# Altium PCB HBS V1.0.PcbDoc (part 1 of 4) (continued)
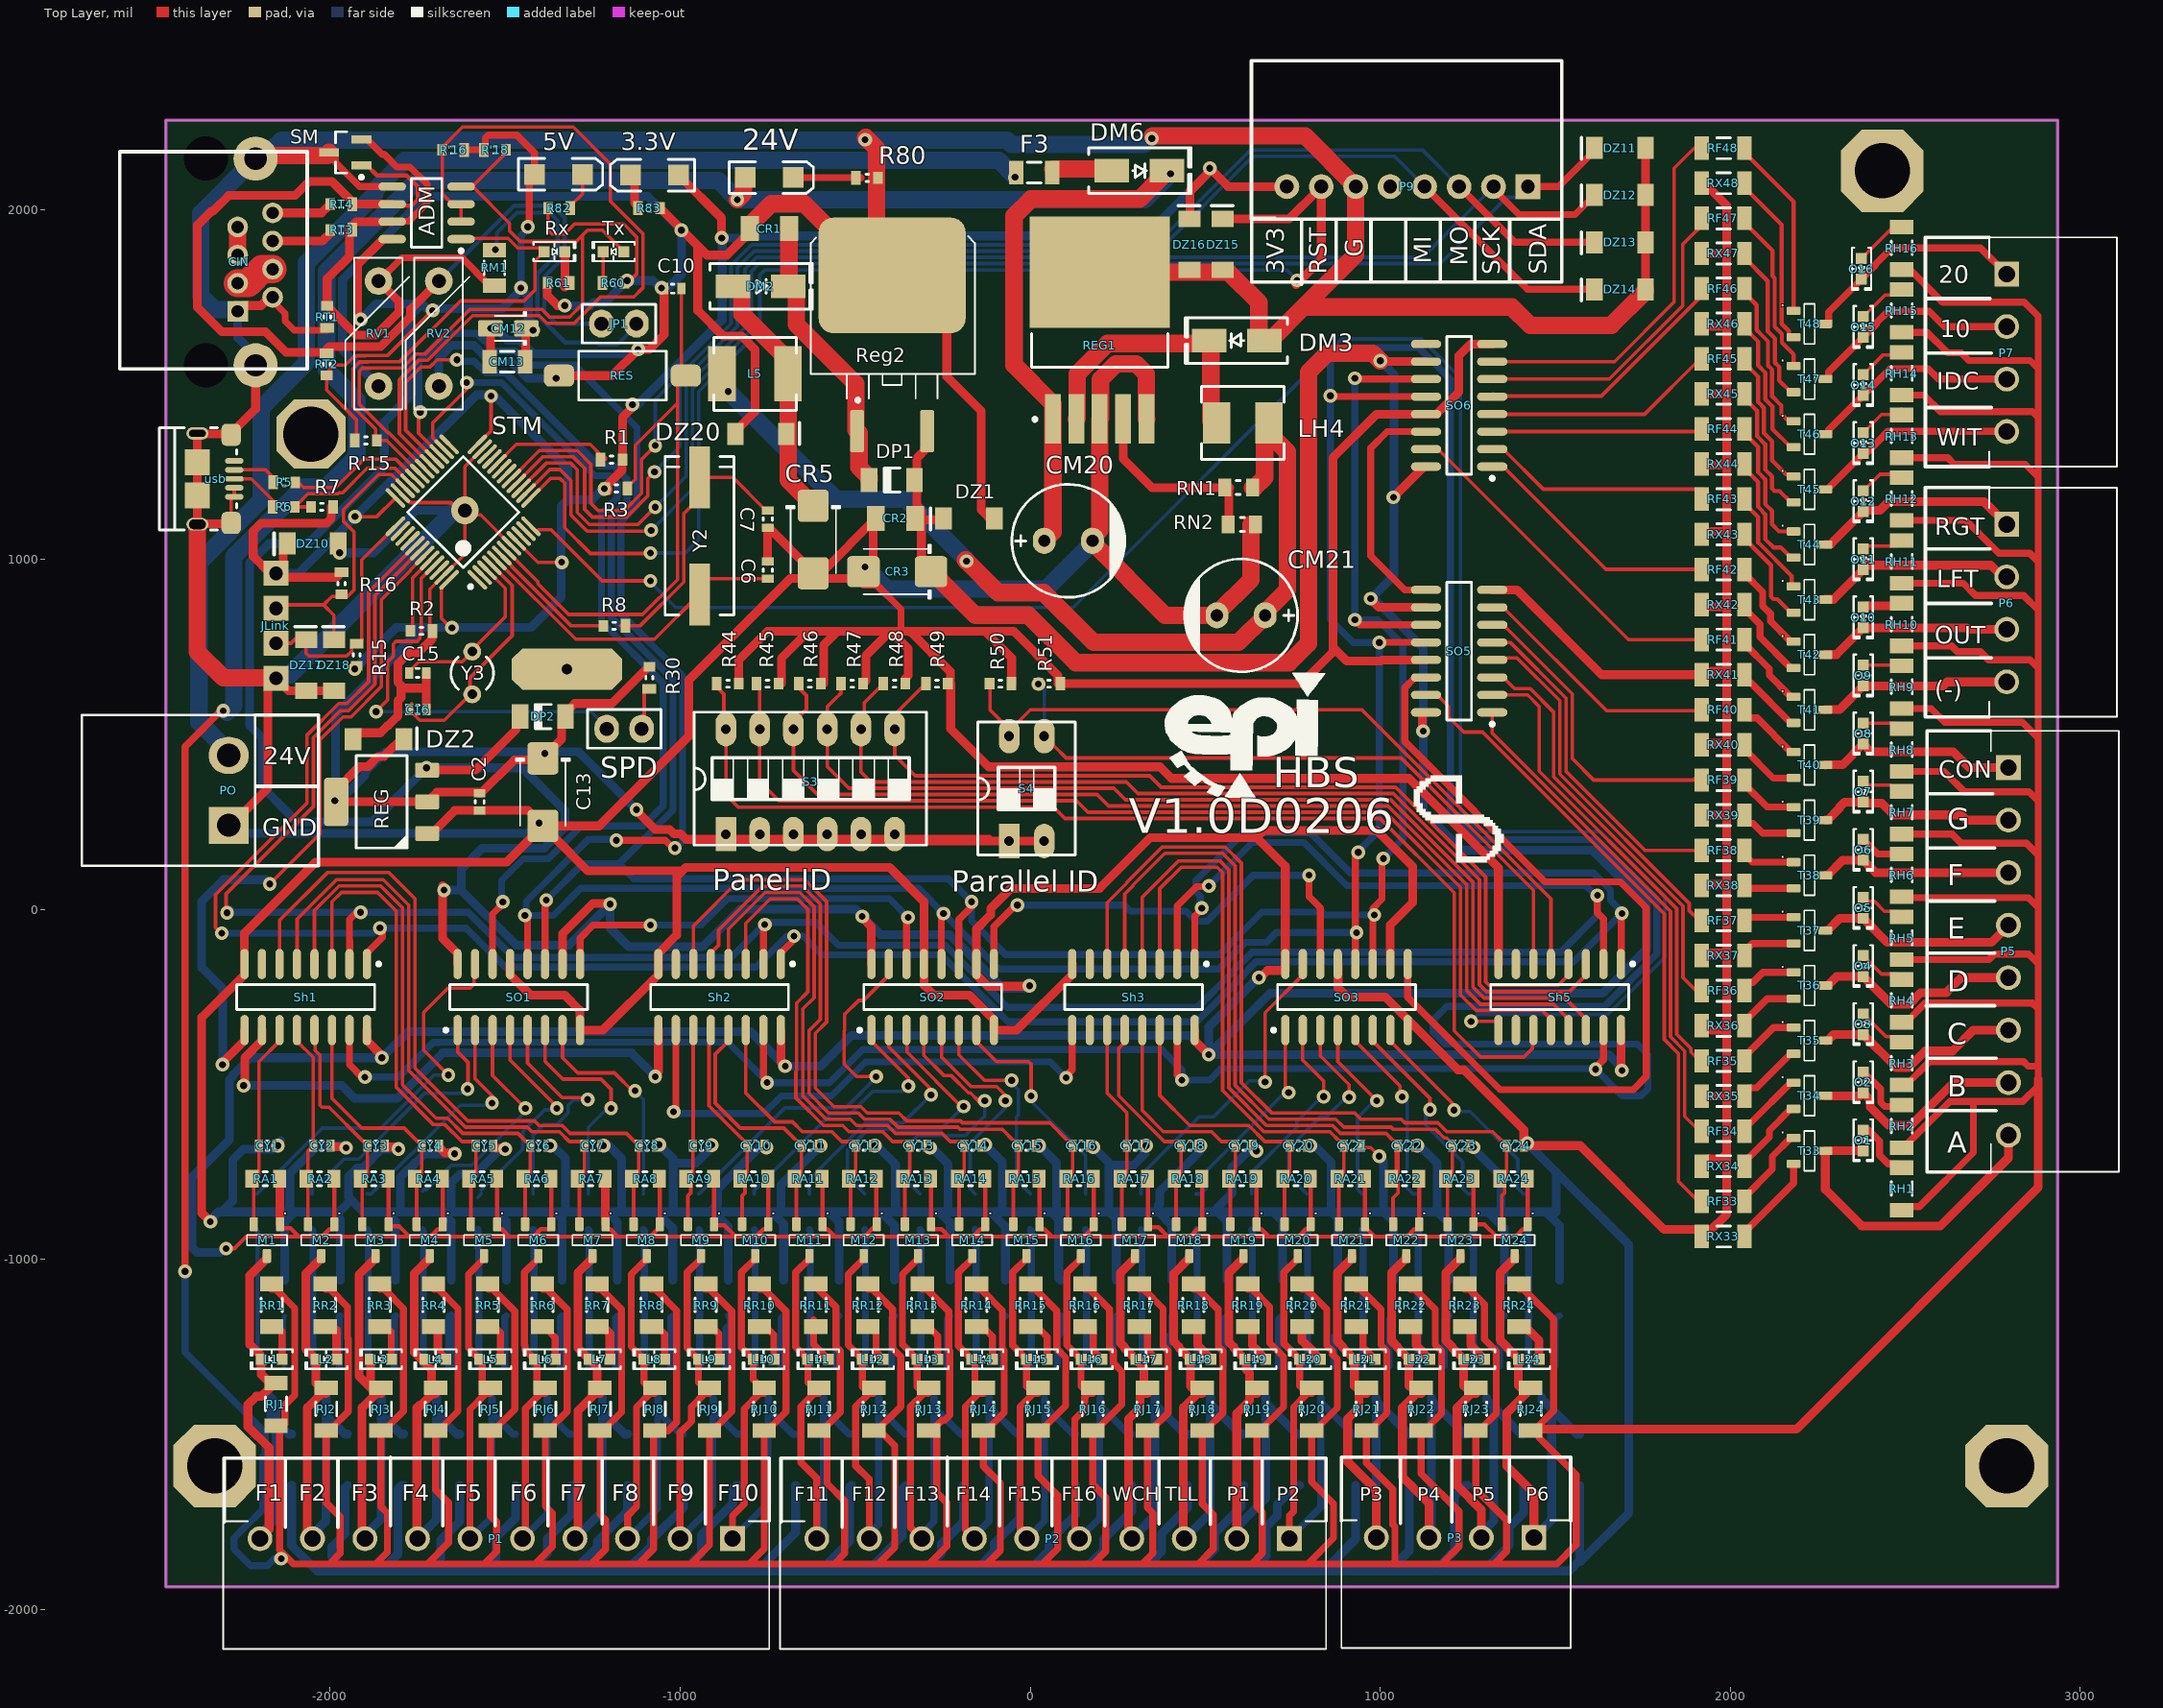
[diagram p0: Top Layer view]
## Classes and differential pairs
component class "Power 8V": CM20 CM21 CR5 DM3 DZ20 L5 LH4 REG1 RN1 RN2
component class "Shift Out": SO1 SO2 SO3 SO5 SO6
component class Actuator: O1 O2 O3 O4 O5 O6 O7 O8 O9 O10 O11 O12 O13 O14 O15 O16 RF1 RF2 RF3 RF4 RF5 RF6 RF7 RF8 RF9 RF10 RF11 RF12 RF13 RF14 RF15 RF16 RF17 RF18 RF19 RF20 RF21 RF22 RF23 RF24 RF33 RF34 RF35 RF36 RF37 RF38 RF39 RF40 RF41 RF42 RF43 RF44 RF45 RF46 RF47 RF48 RH1 RH2 RH3 RH4 RH5 RH6 RH7 RH8 RH9 RH10 RH11 RH12 RH13 RH14 RH15 RH16 RX1 RX2 RX3 RX4 RX5 RX6 RX7 RX8 RX9 RX10 RX11 RX12 RX13 RX14 RX15 RX16 RX17 RX18 RX19 RX20 RX21 RX22 RX23 RX24 RX33 RX34 RX35 RX36 RX37 RX38 RX39 RX40 RX41 RX42 RX43 RX44 RX45 RX46 RX47 RX48 T1 T2 T3 T4 T5 T6 T7 T8 T9 T10 T11 T12 T13 T14 T15 T16 T17 T18 T19 T20 T21 T22 T23 T24 T33 T34 T35 T36 T37 T38 T39 T40 T41 T42 T43 T44 T45 T46 T47 T48
component class "Power 3.3V": 3.3V C2 C13 DP2 DZ2 R83 REG
component class "Mosfet Input": CY1 CY2 CY3 CY4 CY5 CY6 CY7 CY8 CY9 CY10 CY11 CY12 CY13 CY14 CY15 CY16 CY17 CY18 CY19 CY20 CY21 CY22 CY23 CY24 DT1 DT2 DT3 DT4 DT5 DT6 DT7 DT8 DT9 DT10 DT11 DT12 DT13 DT14 DT15 DT16 DT17 DT18 DT19 DT20 DT21 DT22 DT23 DT24 L1 L2 L3 L4 L5 L6 L7 L8 L9 L10 L11 L12 L13 L14 L15 L16 L17 L18 L19 L20 L21 L22 L23 L24 M1 M2 M3 M4 M5 M6 M7 M8 M9 M10 M11 M12 M13 M14 M15 M16 M17 M18 M19 M20 M21 M22 M23 M24 RA1 RA2 RA3 RA4 RA5 RA6 RA7 RA8 RA9 RA10 RA11 RA12 RA13 RA14 RA15 RA16 RA17 RA18 RA19 RA20 RA21 RA22 RA23 RA24 RJ1 RJ2 RJ3 RJ4 RJ5 RJ6 RJ7 RJ8 RJ9 RJ10 RJ11 RJ12 RJ13 RJ14 RJ15 RJ16 RJ17 RJ18 RJ19 RJ20 RJ21 RJ22 RJ23 RJ24 RR1 RR2 RR3 RR4 RR5 RR6 RR7 RR8 RR9 RR10 RR11 RR12 RR13 RR14 RR15 RR16 RR17 RR18 RR19 RR20 RR21 RR22 RR23 RR24
component class MCU: C6 C7 C10 C15 C16 DZ10 DZ17 DZ18 JLink R1 R2 R3 R5 R6 R7 R8 R15 R16 R30 RES SPD STM usb Y2 Y3
component class "Input Connector": 24V CIN DM6 DZ13 DZ14 DZ15 DZ16 DZ17 DZ18 F3 P1 P2 P3 P5 P6 P7 P9 PO R80
component class "Data Input Memory": Sh1 Sh2 Sh3
component class Communication: ADM CM12 CM13 JP1 R60 R61 R'15 R'16 R'18 RM1 RT1 RT2 RT3 RT4 RV1 RV2 Rx SM Tx
component class Config: R44 R45 R46 R47 R48 R49 R50 R51 S3 S4 Sh5
component class "Power 5V": 5V CR1 CR2 CR3 DM2 DP1 DZ1 R82 Reg2

## Components (designator, comment, footprint, x,y, rotation, side; value= is the part's Value field where it differs from the comment)
3.3V "RED" "LED SMD 1206" -1073.46,2098 r180 top
5V "RED" "LED SMD 1206" -1347.62,2100 r0 top
24V "RED" "LED SMD 1206" -745.58,2091.13 r0 top
ADM "ADM485" SO8_NARROW_N -1724.47,1990 r180 top
C2 "100nF" SMD_CAP_0603 -1572.96,307.2 r90 top
C6 "20pF" SMD_CAP_0603 -750,969.36 r90 top
C7 "20pF" SMD_CAP_0603 -750,1115 r270 top
C10 "1uF" SMD_CAP_0603 -1021.51,1773.6 r180 top
C13 "100uF" CAPMP6032X280N -1392.43,335 r270 top
C15 "10pF" SMD_CAP_0603 -1750,675.45 r180 top
C16 "10pF" SMD_CAP_0603 -1749.76,570.79 r180 top
CIN "CN_MODJACK_8P" "CN_RJ45_TYCO_ DY122-8P8C-G" -2355,2145 r270 top
CM12 "10uF" CAPMP3216X180N -1490.99,1660 r180 top
CM13 "100nF" SMD_CAP_1206 -1442.79,1565 r180 top
CM20 "100uF" "cap 03" 108.9,1052.88 r180 top
CM21 "2000uF" "cap 03" 602.48,840 r0 top
CR1 "330nF" 1206 -745,1945 r180 top
CR2 "100nF" 1206 -385,1117.05 r180 top
CR3 "100uF" CAPMP6032X280N -380,965 r180 top
CR5 "100uF" CAPMP6032X280N -620,1056.6 r270 top
CY1 "10uF" SMD_CAP_0603 -2179.21,-674.92 r180 top
CY2 "10uF" SMD_CAP_0603 -2024.21,-674.92 r180 top
CY3 "10uF" SMD_CAP_0603 -1869.21,-674.92 r180 top
CY4 "10uF" SMD_CAP_0603 -1714.21,-674.92 r180 top
CY5 "10uF" SMD_CAP_0603 -1559.21,-674.92 r180 top
CY6 "10uF" SMD_CAP_0603 -1404.21,-674.92 r180 top
CY7 "10uF" SMD_CAP_0603 -1249.21,-674.92 r180 top
CY8 "10uF" SMD_CAP_0603 -1094.21,-674.92 r180 top
CY9 "10uF" SMD_CAP_0603 -939.21,-674.92 r180 top
CY10 "10uF" SMD_CAP_0603 -784.21,-674.92 r180 top
CY11 "10uF" SMD_CAP_0603 -629.21,-674.92 r180 top
CY12 "10uF" SMD_CAP_0603 -474.21,-674.92 r180 top
CY13 "10uF" SMD_CAP_0603 -319.21,-674.92 r180 top
CY14 "10uF" SMD_CAP_0603 -164.21,-674.92 r180 top
CY15 "10uF" SMD_CAP_0603 -9.21,-674.92 r180 top
CY16 "10uF" SMD_CAP_0603 145.79,-674.92 r180 top
CY17 "10uF" SMD_CAP_0603 300.79,-674.92 r180 top
CY18 "10uF" SMD_CAP_0603 455.79,-674.92 r180 top
CY19 "10uF" SMD_CAP_0603 610.79,-674.92 r180 top
CY20 "10uF" SMD_CAP_0603 765.79,-674.92 r180 top
CY21 "10uF" SMD_CAP_0603 920.79,-674.92 r180 top
CY22 "10uF" SMD_CAP_0603 1075.79,-674.92 r180 top
CY23 "10uF" SMD_CAP_0603 1230.79,-674.92 r180 top
CY24 "10uF" SMD_CAP_0603 1385.79,-674.92 r180 top
DM2 "1N5822" "DO214AC SMA" -770,1780 r0 top
DM3 "1N5822" "DO214AC SMA" 590.31,1625 r180 top
DM6 "1N5822" "DO214AC SMA" 312.15,2110.44 r0 top
DP1 "1N4148" LL4148 -395.66,1226.65 r180 top
DP2 "1N4148" LL4148 -1392.67,551.1 r180 top
DT1 "DZ30V 0.5W" Minimelf -2109.79,-1571.95 r90 bottom
DT2 "DZ30V 0.5W" Minimelf -1949.79,-1571.95 r90 bottom
DT3 "DZ30V 0.5W" Minimelf -1789.79,-1571.95 r90 bottom
DT4 "DZ30V 0.5W" Minimelf -1629.79,-1571.95 r90 bottom
DT5 "DZ30V 0.5W" Minimelf -1469.79,-1571.95 r90 bottom
DT6 "DZ30V 0.5W" Minimelf -1309.79,-1571.95 r90 bottom
DT7 "DZ30V 0.5W" Minimelf -1149.79,-1571.95 r90 bottom
DT8 "DZ30V 0.5W" Minimelf -989.79,-1571.95 r90 bottom
DT9 "DZ30V 0.5W" Minimelf -829.79,-1571.95 r90 bottom
DT10 "DZ30V 0.5W" Minimelf -669.79,-1571.95 r90 bottom
DT11 "DZ30V 0.5W" Minimelf -509.79,-1571.95 r90 bottom
DT12 "DZ30V 0.5W" Minimelf -349.79,-1571.95 r90 bottom
DT13 "DZ30V 0.5W" Minimelf -189.79,-1571.95 r90 bottom
DT14 "DZ30V 0.5W" Minimelf -29.79,-1571.95 r90 bottom
DT15 "DZ30V 0.5W" Minimelf 130.21,-1571.95 r90 bottom
DT16 "DZ30V 0.5W" Minimelf 290.21,-1571.95 r90 bottom
DT17 "DZ30V 0.5W" Minimelf 450.21,-1571.95 r90 bottom
DT18 "DZ30V 0.5W" Minimelf 610.21,-1571.95 r90 bottom
DT19 "DZ30V 0.5W" Minimelf 770.21,-1571.95 r90 bottom
DT20 "DZ30V 0.5W" Minimelf 930.21,-1571.95 r90 bottom
DT21 "DZ30V 0.5W" Minimelf 1090.21,-1571.95 r90 bottom
DT22 "DZ30V 0.5W" Minimelf 1250.21,-1571.95 r90 bottom
DT23 "DZ30V 0.5W" Minimelf 1410.21,-1571.95 r90 bottom
DT24 "DZ30V 0.5W" Minimelf 1570.21,-1571.95 r90 bottom
DZ1 "DZ5.6V 0.5W" Minimelf -175,1117.05 r180 top
DZ2 "DZ3.6V 0.5W" Minimelf -1862.11,487.02 r0 top
DZ10 "DZ3.6V 0.5W" Minimelf -2050,1045 r180 top
DZ11 "DZ3.6V 0.5W" Minimelf 1685,2175 r180 top
DZ12 "DZ3.6V 0.5W" Minimelf 1685,2040.32 r180 top
DZ13 "DZ3.6V 0.5W" Minimelf 1685,1905.63 r180 top
DZ14 "DZ3.6V 0.5W" Minimelf 1685,1770.95 r180 top
DZ15 "DZ3.6V 0.5W" Minimelf 549.51,1899.96 r90 top
DZ16 "DZ3.6V 0.5W" Minimelf 454.54,1899.96 r90 top
DZ17 "DZ3.6V 0.5W" Minimelf -2069.51,697.53 r90 top
DZ18 "DZ3.6V 0.5W" Minimelf -1990,697.53 r90 top
DZ20 "DZ9.1V 0.5W" Minimelf -769.61,1358.53 r0 top
F3 "Fuse 1A 1206" "Fuse SMD 1206" 15.53,2100.44 r0 top
JLink "Header Male Right 1x4" "Header 1x4 male rightangle" -2155,760.17 r90 top
JP1 "Jumper" "Jumper Small - 2.54 - GRAY" -1175,1673.48 r180 top
L1 "RED" "LED 0603/1608 RED" -2167.52,-1285 r180 top
L2 "RED" "LED 0603/1608 RED" -2011.36,-1285 r180 top
L3 "RED" "LED 0603/1608 RED" -1855.2,-1285 r180 top
L4 "RED" "LED 0603/1608 RED" -1699.03,-1285 r180 top
L5 "Inductor" "HPC6045 SMD INDUCTOR" -786.27,1530 r0 top value=22uH3A
L5 "RED" "LED 0603/1608 RED" -1542.87,-1285 r180 top
L6 "RED" "LED 0603/1608 RED" -1386.71,-1285 r180 top
L7 "RED" "LED 0603/1608 RED" -1230.54,-1285 r180 top
L8 "RED" "LED 0603/1608 RED" -1074.38,-1285 r180 top
L9 "RED" "LED 0603/1608 RED" -918.22,-1285 r180 top
L10 "RED" "LED 0603/1608 RED" -762.05,-1285 r180 top
L11 "RED" "LED 0603/1608 RED" -605.89,-1285 r180 top
L12 "RED" "LED 0603/1608 RED" -449.73,-1285 r180 top
L13 "RED" "LED 0603/1608 RED" -293.56,-1285 r180 top
L14 "RED" "LED 0603/1608 RED" -137.4,-1285 r180 top
L15 "RED" "LED 0603/1608 RED" 18.76,-1285 r180 top
L16 "RED" "LED 0603/1608 RED" 174.93,-1285 r180 top
L17 "RED" "LED 0603/1608 RED" 331.09,-1285 r180 top
L18 "RED" "LED 0603/1608 RED" 487.15,-1285 r180 top
L19 "RED" "LED 0603/1608 RED" 643.42,-1285 r180 top
L20 "RED" "LED 0603/1608 RED" 799.58,-1285 r180 top
L21 "RED" "LED 0603/1608 RED" 955.75,-1285 r180 top
L22 "RED" "LED 0603/1608 RED" 1111.91,-1285 r180 top
L23 "RED" "LED 0603/1608 RED" 1268.07,-1285 r180 top
L24 "RED" "LED 0603/1608 RED" 1425,-1284.98 r180 top
LH4 "Inductor" "CD45 SMD Inductor" 607.4,1390 r0 top value=100uH3A
M1 "2N7002" SOT23-3 -2180.79,-944.92 r270 top
M2 "2N7002" SOT23-3 -2025.79,-944.92 r270 top
M3 "2N7002" SOT23-3 -1870.79,-944.92 r270 top
M4 "2N7002" SOT23-3 -1715.79,-944.92 r270 top
M5 "2N7002" SOT23-3 -1560.79,-944.92 r270 top
M6 "2N7002" SOT23-3 -1405.79,-944.92 r270 top
M7 "2N7002" SOT23-3 -1250.79,-944.92 r270 top
M8 "2N7002" SOT23-3 -1095.79,-944.92 r270 top
M9 "2N7002" SOT23-3 -940.79,-944.92 r270 top
M10 "2N7002" SOT23-3 -785.79,-944.92 r270 top
M11 "2N7002" SOT23-3 -630.79,-944.92 r270 top
M12 "2N7002" SOT23-3 -475.79,-944.92 r270 top
M13 "2N7002" SOT23-3 -320.79,-944.92 r270 top
M14 "2N7002" SOT23-3 -165.79,-944.92 r270 top
M15 "2N7002" SOT23-3 -10.79,-944.92 r270 top
M16 "2N7002" SOT23-3 144.21,-944.92 r270 top
M17 "2N7002" SOT23-3 299.21,-944.92 r270 top
M18 "2N7002" SOT23-3 454.21,-944.92 r270 top
M19 "2N7002" SOT23-3 609.21,-944.92 r270 top
M20 "2N7002" SOT23-3 764.21,-944.92 r270 top
M21 "2N7002" SOT23-3 919.21,-944.92 r270 top
M22 "2N7002" SOT23-3 1074.21,-944.92 r270 top
M23 "2N7002" SOT23-3 1229.21,-944.92 r270 top
M24 "2N7002" SOT23-3 1384.21,-944.92 r270 top
O1 "RED" "LED 0603/1608 RED" 2380,-660 r270 top
O2 "RED" "LED 0603/1608 RED" 2380,-494 r270 top
O3 "RED" "LED 0603/1608 RED" 2380,-328 r270 top
O4 "RED" "LED 0603/1608 RED" 2380,-162 r270 top
O5 "RED" "LED 0603/1608 RED" 2380,4 r270 top
O6 "RED" "LED 0603/1608 RED" 2380,170 r270 top
O7 "RED" "LED 0603/1608 RED" 2380,336 r270 top
O8 "RED" "LED 0603/1608 RED" 2380,502 r270 top
O9 "RED" "LED 0603/1608 RED" 2380,668 r270 top
O10 "RED" "LED 0603/1608 RED" 2380,834 r270 top
O11 "RED" "LED 0603/1608 RED" 2380,1000 r270 top
O12 "RED" "LED 0603/1608 RED" 2380,1166 r270 top
O13 "RED" "LED 0603/1608 RED" 2380,1332 r270 top
O14 "RED" "LED 0603/1608 RED" 2380,1498 r270 top
O15 "RED" "LED 0603/1608 RED" 2380,1664 r270 top
O16 "RED" "LED 0603/1608 RED" 2375,1830 r270 top
P1 "XH10MR" "phonix 10pin right 3.81" -850.59,-1797.76 r270 top
P2 "XH10MR" "phonix 10pin right 3.81" 740.31,-1797.76 r270 top
P3 "XH4MR" "phonix 4pin right 3.81" 1439.04,-1795 r270 top
P5 "XH8MR" "phonix 8pin right 3.81" 2795,405 r0 top
P6 "XH4MR" "phonix 4pin right 3.81" 2790,1100 r0 top
P7 "XH4MR" "phonix 4pin right 3.81" 2790,1815 r0 top
P9 "XH8MR" CN_JST-B8B-S_XH 1422.13,2065 r0 top
PO "Header 2" "phonix 2pin right 5.08" -2290,340 r180 top
R1 "10K" "RES 0603" -1165,1285 r180 top
R2 "10K" "RES 0603" -1770.45,795.75 r0 top
R3 "10K" "RES 0603" -1213.79,1202.49 r0 top
R5 "20R" "RES 0603" -2100,1220 r180 top
R6 "20R" "RES 0603" -2101.01,1150 r180 top
R7 "1.5K" "RES 0603" -2055,1150 r0 top
R8 "390" "RES 0603" -1219.95,810 r0 top
R15 "10K" "RES 0603" -1924.44,696.01 r90 top
R16 "10K" "RES 0603" -1967.88,900 r90 top
R30 "10K" "RES 0603" -1088.19,692.99 r270 top
R44 "10K" "RES 0603" -832.3,645 r180 top
R45 "10K" "RES 0603" -719.46,645 r180 top
R46 "10K" "RES 0603" -598.45,645 r180 top
R47 "10K" "RES 0603" -477.44,645 r180 top
R48 "10K" "RES 0603" -356.43,645 r180 top
R49 "10K" "RES 0603" -235.43,645 r180 top
R50 "10K" "RES 0603" -116.13,645 r0 top
R51 "10K" "RES 0603" 22.84,645 r0 top
R60 "510" "RES 0603" -1159.27,1790 r180 top
R61 "510" "RES 0603" -1379.07,1790 r0 top
R80 "5K" "RES 0603" -434.78,2090 r180 top
R82 "1K" "RES 0603" -1377.45,2003.44 r0 top
R83 "500" "RES 0603" -1057.45,2003.44 r180 top
R'15 "10k" "RES 0603" -1866.72,1340 r180 top
R'16 "10K" "RES 0603" -1680,2170 r0 top
R'18 "10k" "RES 0603" -1497.67,2170 r180 top
RA1 "10K" "RES 0805" -2144.78,-769.43 r180 top
RA2 "10K" "RES 0805" -1989.78,-769.43 r180 top
RA3 "10K" "RES 0805" -1834.78,-769.43 r180 top
RA4 "10K" "RES 0805" -1679.78,-769.43 r180 top
RA5 "10K" "RES 0805" -1524.78,-769.43 r180 top
RA6 "10K" "RES 0805" -1369.78,-769.43 r180 top
RA7 "10K" "RES 0805" -1214.78,-769.43 r180 top
RA8 "10K" "RES 0805" -1059.78,-769.43 r180 top
RA9 "10K" "RES 0805" -904.78,-769.43 r180 top
RA10 "10K" "RES 0805" -749.78,-769.43 r180 top
RA11 "10K" "RES 0805" -594.78,-769.43 r180 top
RA12 "10K" "RES 0805" -439.78,-769.43 r180 top
RA13 "10K" "RES 0805" -284.78,-769.43 r180 top
RA14 "10K" "RES 0805" -129.78,-769.43 r180 top
RA15 "10K" "RES 0805" 25.22,-769.43 r180 top
RA16 "10K" "RES 0805" 180.22,-769.43 r180 top
RA17 "10K" "RES 0805" 335.22,-769.43 r180 top
RA18 "10K" "RES 0805" 490.22,-769.43 r180 top
RA19 "10K" "RES 0805" 645.22,-769.43 r180 top
RA20 "10K" "RES 0805" 800.22,-769.43 r180 top
RA21 "10K" "RES 0805" 955.22,-769.43 r180 top
RA22 "10K" "RES 0805" 1110.22,-769.43 r180 top
RA23 "10K" "RES 0805" 1265.22,-769.43 r180 top
RA24 "10K" "RES 0805" 1420.22,-769.43 r180 top
REG "AMS1117-3.3" SOT223 -1852.96,307.2 r180 top
REG1 "LM2576-Adj" TO-263-5 198.55,1655 r90 top
Reg2 "L7805" D2PAK-3 -394.47,1588.87 r270 top value=variable
RES "Button" "TE FSMSMTR" -1165,1525 r90 top
RF1 "1K" "RES 1206" -2210,-915 r90 bottom
RF2 "1K" "RES 1206" -2052.1,-915 r90 bottom
RF3 "1K" "RES 1206" -1894.19,-915 r90 bottom
RF4 "1K" "RES 1206" -1736.29,-907.05 r90 bottom
RF5 "1K" "RES 1206" -1578.39,-924.92 r90 bottom
RF6 "1K" "RES 1206" -1420.48,-915 r90 bottom
RF7 "1K" "RES 1206" -1262.58,-915 r90 bottom
RF8 "1K" "RES 1206" -1104.68,-915 r90 bottom
RF9 "1K" "RES 1206" -946.77,-915 r90 bottom
RF10 "1K" "RES 1206" -788.87,-915 r90 bottom
RF11 "1K" "RES 1206" -630.97,-915 r90 bottom
RF12 "1K" "RES 1206" -473.06,-915 r90 bottom
RF13 "1K" "RES 1206" -315.16,-915 r90 bottom
RF14 "1K" "RES 1206" -157.26,-915 r90 bottom
RF15 "1K" "RES 1206" 0.64,-915 r90 bottom
RF16 "1K" "RES 1206" 158.55,-915 r90 bottom
RF17 "1K" "RES 1206" 316.45,-915 r90 bottom
RF18 "1K" "RES 1206" 474.35,-915 r90 bottom
RF19 "1K" "RES 1206" 632.26,-915 r90 bottom
RF20 "1K" "RES 1206" 790.16,-915 r90 bottom
RF21 "1K" "RES 1206" 948.06,-915 r90 bottom
RF22 "1K" "RES 1206" 1105.97,-915 r90 bottom
RF23 "1K" "RES 1206" 1263.87,-915 r90 bottom
RF24 "1K" "RES 1206" 1421.77,-915 r90 bottom
RF33 "1K" "RES 1206" 2041.1,-834.14 r180 top
RF34 "1K" "RES 1206" 2041.1,-633.53 r180 top
RF35 "1K" "RES 1206" 2041.1,-432.92 r180 top
RF36 "1K" "RES 1206" 2041.1,-232.32 r180 top
RF37 "1K" "RES 1206" 2041.1,-31.71 r180 top
RF38 "1K" "RES 1206" 2041.1,168.9 r180 top
RF39 "1K" "RES 1206" 2041.1,369.51 r180 top
RF40 "1K" "RES 1206" 2041.1,570.12 r180 top
RF41 "1K" "RES 1206" 2041.1,770.73 r180 top
RF42 "1K" "RES 1206" 2041.1,971.34 r180 top
RF43 "1K" "RES 1206" 2041.1,1171.95 r180 top
RF44 "1K" "RES 1206" 2041.1,1372.56 r180 top
RF45 "1K" "RES 1206" 2041.1,1573.17 r180 top
RF46 "1K" "RES 1206" 2041.1,1773.78 r180 top
RF47 "1K" "RES 1206" 2041.1,1974.39 r180 top
RF48 "1K" "RES 1206" 2041.1,2175 r180 top
RH1 "5.6K" "RES 1206" 2490,-737.95 r270 top
RH2 "5.6K" "RES 1206" 2490,-558.76 r270 top
RH3 "5.6K" "RES 1206" 2490,-379.56 r270 top
RH4 "5.6K" "RES 1206" 2490,-200.36 r270 top
RH5 "5.6K" "RES 1206" 2490,-21.17 r270 top
RH6 "5.6K" "RES 1206" 2490,158.03 r270 top
RH7 "5.6K" "RES 1206" 2490,337.23 r270 top
RH8 "5.6K" "RES 1206" 2490,516.42 r270 top
RH9 "5.6K" "RES 1206" 2490,695.62 r270 top
RH10 "5.6K" "RES 1206" 2490,874.82 r270 top
RH11 "5.6K" "RES 1206" 2490,1054.01 r270 top
RH12 "5.6K" "RES 1206" 2490,1233.21 r270 top
RH13 "5.6K" "RES 1206" 2490,1412.41 r270 top
RH14 "5.6K" "RES 1206" 2490,1591.6 r270 top
RH15 "5.6K" "RES 1206" 2490,1770.8 r270 top
RH16 "5.6K" "RES 1206" 2490,1950 r270 top
RJ1 "100K" "RES 1206" -2155,-1352.95 r270 top
RJ2 "100K" "RES 1206" -2011.46,-1367.32 r270 top
RJ3 "100K" "RES 1206" -1855.03,-1367.32 r270 top
RJ4 "100K" "RES 1206" -1698.6,-1367.32 r270 top
RJ5 "100K" "RES 1206" -1542.17,-1367.32 r270 top
RJ6 "100K" "RES 1206" -1385.74,-1367.32 r270 top
RJ7 "100K" "RES 1206" -1229.31,-1367.32 r270 top
RJ8 "100K" "RES 1206" -1072.88,-1367.32 r270 top
RJ9 "100K" "RES 1206" -916.45,-1367.32 r270 top
RJ10 "100K" "RES 1206" -760.02,-1367.32 r270 top
RJ11 "100K" "RES 1206" -603.59,-1367.32 r270 top
RJ12 "100K" "RES 1206" -447.16,-1367.32 r270 top
RJ13 "100K" "RES 1206" -290.73,-1367.32 r270 top
RJ14 "100K" "RES 1206" -134.3,-1367.32 r270 top
RJ15 "100K" "RES 1206" 22.13,-1367.32 r270 top
RJ16 "100K" "RES 1206" 178.56,-1367.32 r270 top
RJ17 "100K" "RES 1206" 334.99,-1367.32 r270 top
RJ18 "100K" "RES 1206" 491.42,-1367.32 r270 top
RJ19 "100K" "RES 1206" 647.85,-1367.32 r270 top
RJ20 "100K" "RES 1206" 804.28,-1367.32 r270 top
RJ21 "100K" "RES 1206" 960.71,-1367.32 r270 top
RJ22 "100K" "RES 1206" 1117.14,-1367.32 r270 top
RJ23 "100K" "RES 1206" 1273.57,-1367.32 r270 top
RJ24 "100K" "RES 1206" 1430,-1367.32 r270 top
RM1 "150" "RES 1206 (3216X08L)" -1530.81,1781.77 r90 top
RN1 "4.7K" "RES 0805" 634.96,1205 r180 top
RN2 "1K" "RES 0805" 565.34,1100.16 r0 top
RR1 "5K" "RES 1206" -2167.17,-1070 r270 top
RR2 "5K" "RES 1206" -2014.7,-1070 r270 top
RR3 "5K" "RES 1206" -1858.68,-1070 r270 top
RR4 "5K" "RES 1206" -1705,-1070 r270 top
RR5 "5K" "RES 1206" -1550,-1070 r270 top
RR6 "5K" "RES 1206" -1393.68,-1070 r270 top
RR7 "5K" "RES 1206" -1237.43,-1070 r270 top
RR8 "5K" "RES 1206" -1082.14,-1070 r270 top
RR9 "5K" "RES 1206" -927.09,-1070 r270 top
RR10 "5K" "RES 1206" -773.68,-1070 r270 top
RR11 "5K" "RES 1206" -612.78,-1070 r270 top
RR12 "5K" "RES 1206" -463.68,-1070 r270 top
RR13 "5K" "RES 1206" -308.68,-1070 r270 top
RR14 "5K" "RES 1206" -153.68,-1070 r270 top
RR15 "5K" "RES 1206" 1.32,-1070 r270 top
RR16 "5K" "RES 1206" 156.32,-1070 r270 top
RR17 "5K" "RES 1206" 311.32,-1070 r270 top
RR18 "5K" "RES 1206" 466.32,-1070 r270 top
RR19 "5K" "RES 1206" 621.32,-1070 r270 top
RR20 "5K" "RES 1206" 776.32,-1070 r270 top
RR21 "5K" "RES 1206" 931.32,-1070 r270 top
RR22 "5K" "RES 1206" 1086.32,-1070 r270 top
RR23 "5K" "RES 1206" 1241.32,-1070 r270 top
RR24 "5K" "RES 1206" 1396.32,-1070 r270 top
RT1 "10K" "RES 0603" -2008.68,1723.91 r270 top
RT2 "10K" "RES 0603" -2010,1525.87 r90 top
RT3 "20" "RES 0603" -1999.71,1941.55 r0 top
RT4 "20" "RES 0603" -1999.71,2015 r0 top
RV1 "Res Varistor 10D201K" "Varistor Short Hieght - Vertical" -1861.66,1645 r270 top
RV2 "Res Varistor 10D201K" "Varistor Short Hieght - Vertical" -1689.71,1645.02 r270 top
Rx "RED" "LED 0603/1608 RED" -1359.07,1879.17 r0 top